# KiCad board pi40_v1.1.kicad_pcb (continued)
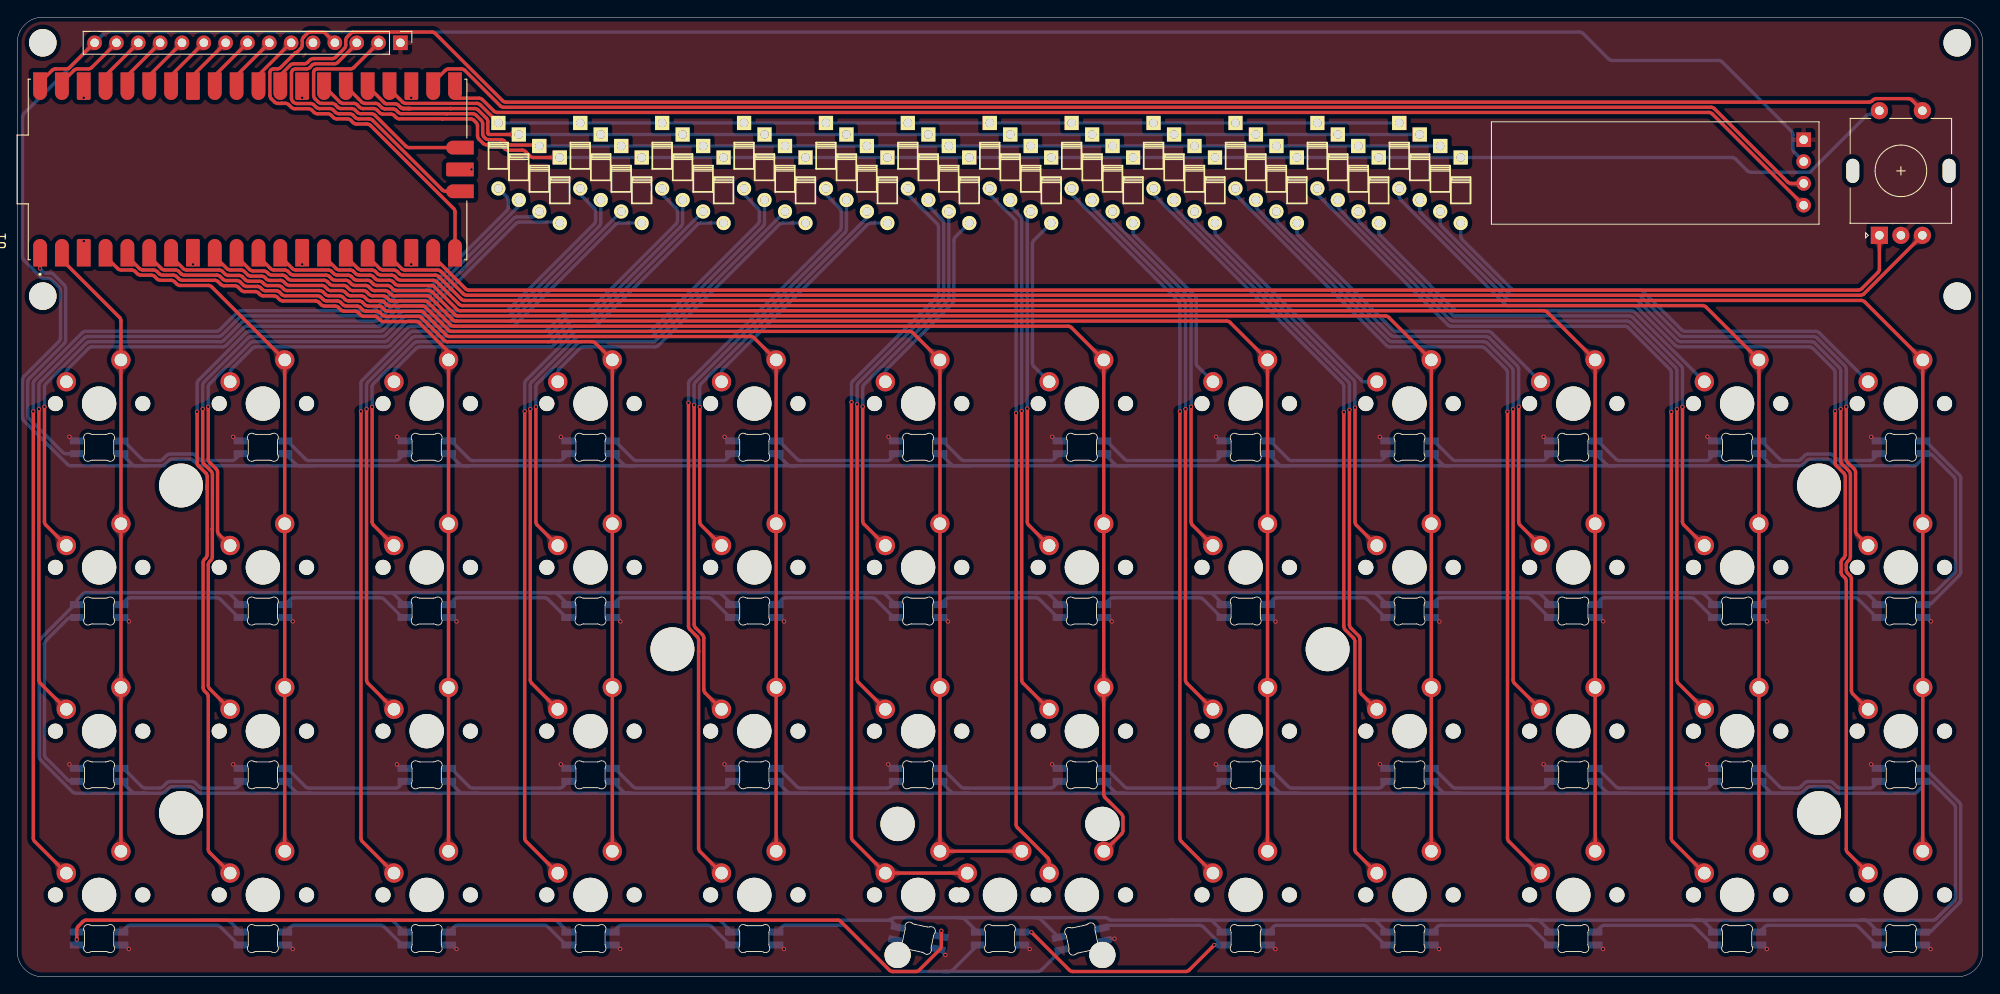
[diagram p0: board, top side]
## Routing (per net, layer and track width the routed paths; a pad name or vN(x,y) marks a point on that pad's centre or on a via; arc(x,y) is an arc through that point) (continued)
Net-(D26-Pad2): length 96.2
  Top w0.4: K26.1 22.38,33.5 arc(22.26,33.68) 22.22,33.88 22.22,47.93 arc(22.26,48.14) 22.38,48.31 22.53,48.47 arc(22.65,48.64) 22.69,48.85 22.69,52.08 arc(22.69,52.09) 22.7,52.09 arc(22.7,52.1) 22.7,52.1 22.7,58.44 arc(22.66,58.65) 22.54,58.83 21.73,59.64 arc(21.61,59.82) 21.57,60.03 v1(21.57,66.05)
  Bottom w0.4: D26.2 67.87,87.71 arc(67.82,87.5) 67.71,87.32 57.42,77.04 arc(57.24,76.92) 57.03,76.88 45.31,76.88 arc(45.1,76.83) 44.92,76.72 42.84,74.64 arc(42.67,74.52) 42.46,74.48 27.25,74.48 arc(27.04,74.44) 26.87,74.32 21.73,69.18 arc(21.61,69.01) 21.57,68.8 v1(21.57,66.05)
Net-(D27-Pad2): length 86.4
  Top w0.4: K27.1 40.79,34.14 arc(40.67,34.32) 40.63,34.53 v1(40.63,66.03)
  Bottom w0.4: D27.2 77.39,87.71 arc(77.35,87.5) 77.23,87.32 66.94,77.04 arc(66.76,76.92) 66.56,76.88 64.36,76.88 arc(64.15,76.83) 63.97,76.72 61.89,74.64 arc(61.72,74.52) 61.51,74.48 46.3,74.48 arc(46.09,74.44) 45.91,74.32 40.79,69.19 arc(40.67,69.01) 40.63,68.81 v1(40.63,66.03)
Net-(D28-Pad2): length 76.9
  Top w0.4: v1(59.67,66.04) 59.67,34.53 arc(59.71,34.33) 59.83,34.15 K28.1
  Bottom w0.4: v1(59.67,66.04) 59.67,68.8 arc(59.71,69.01) 59.83,69.18 64.96,74.32 arc(65.14,74.44) 65.35,74.48 73.68,74.48 arc(73.89,74.52) 74.07,74.64 86.76,87.32 arc(86.87,87.5) 86.91,87.71 D28.2
Net-(D29-Pad2): length 67.8
  Top w0.4: K29.1 80.01,33.02 arc(79.89,33.19) 79.85,33.4 79.85,39.41 arc(79.81,39.62) 79.69,39.79 78.88,40.61 arc(78.76,40.78) 78.72,40.99 v1(78.72,66.5)
  Bottom w0.4: v1(78.72,66.5) 78.72,68.8 arc(78.76,69.01) 78.88,69.18 96.28,86.58 arc(96.4,86.76) 96.44,86.97 D29.2
Net-(D30-Pad2): length 65.4
  Top w0.4: K30.1 97.84,34.24 arc(97.72,34.42) 97.68,34.62 v1(97.68,66.59)
  Bottom w0.4: v1(97.68,66.59) 97.68,68.71 arc(97.72,68.92) 97.84,69.09 107.59,78.84 arc(107.71,79.02) 107.75,79.23 107.75,87.66 arc(107.71,87.87) 107.59,88.04 106.12,89.51 arc(106.01,89.68) 105.96,89.89 D30.2
Net-(D31-Pad2): length 61
  Top w0.4: K31.1 116.98,34.15 arc(116.86,34.33) 116.82,34.53 v1(116.82,65.82)
  Bottom w0.4: D31.2 115.49,89.89 arc(115.53,89.68) 115.65,89.51 116.66,88.5 arc(116.78,88.32) 116.82,88.11 v1(116.82,65.82)
Net-(D32-Pad2): length 65
  Top w0.4: v1(135.87,66.03) 135.87,34.53 arc(135.91,34.33) 136.03,34.15 K32.1
  Bottom w0.4: D32.2 125.01,89.7 arc(125.06,89.49) 125.17,89.31 135.71,78.78 arc(135.83,78.6) 135.87,78.39 v1(135.87,66.03)
Net-(D33-Pad2): length 68.9
  Top w0.4: v1(154.94,65.95) 154.94,40.95 arc(154.98,40.75) 155.1,40.57 156.01,39.66 arc(156.13,39.48) 156.17,39.27 156.17,33.29 arc(156.21,33.08) 156.33,32.9 K33.1
  Bottom w0.4: D33.2 134.54,89.7 arc(134.58,89.49) 134.7,89.31 154.78,69.24 arc(154.89,69.06) 154.94,68.85 v1(154.94,65.95)
Net-(D34-Pad2): length 79.4
  Top w0.4: K34.1 174.13,34.15 arc(174.01,34.33) 173.97,34.53 v1(173.97,66.01)
  Bottom w0.4: v1(173.97,66.01) 173.97,70.49 arc(173.93,70.7) 173.81,70.87 170.96,73.72 arc(170.79,73.84) 170.58,73.88 159.88,73.88 arc(159.68,73.92) 159.5,74.04 144.22,89.31 arc(144.11,89.49) 144.06,89.7 D34.2
Net-(D35-Pad2): length 89.3
  Top w0.4: K35.1 193.18,34.15 arc(193.06,34.33) 193.02,34.53 v1(193.02,66.02)
  Bottom w0.4: 153.59,89.67 153.59,90.24 153.59,89.7 arc(153.63,89.49) 153.75,89.31 166.63,76.44 arc(166.8,76.32) 167.01,76.28 187.23,76.28 arc(187.44,76.24) 187.62,76.12 192.86,70.87 arc(192.98,70.7) 193.02,70.49 v1(193.02,66.02)
Net-(D36-Pad2): length 98.9
  Top w0.4: v1(212.07,66.05) 212.07,60.02 arc(212.11,59.81) 212.23,59.64 213.04,58.82 arc(213.16,58.65) 213.2,58.44 213.2,48.86 arc(213.16,48.65) 213.04,48.48 212.88,48.31 arc(212.76,48.14) 212.72,47.93 212.72,47.32 arc(212.76,47.11) 212.88,46.94 213.16,46.66 arc(213.28,46.48) 213.32,46.27 213.32,33.29 arc(213.36,33.08) 213.48,32.9 K36.1
  Bottom w0.4: v1(212.07,66.05) 212.07,70.49 arc(212.03,70.7) 211.91,70.87 209.06,73.72 arc(208.89,73.84) 208.68,73.88 193.47,73.88 arc(193.26,73.92) 193.09,74.04 188.61,78.52 arc(188.43,78.63) 188.22,78.67 173.66,78.67 arc(173.45,78.72) 173.28,78.83 163.27,88.84 arc(163.16,89.01) 163.11,89.22 D36.2
Net-(D37-Pad2): length 125
  Top w0.4: K37.1 2.03,15.75 arc(1.91,15.93) 1.87,16.13 v1(1.87,65.76)
  Bottom w0.4: v1(1.87,65.76) 1.87,69 arc(1.91,69.21) 2.03,69.38 7.57,74.92 arc(7.74,75.04) 7.95,75.08 23.16,75.08 arc(23.37,75.12) 23.54,75.24 25.62,77.32 arc(25.8,77.43) 26.01,77.48 41.21,77.48 arc(41.42,77.52) 41.6,77.64 43.68,79.71 arc(43.85,79.83) 44.06,79.87 47.48,79.87 arc(47.69,79.92) 47.87,80.03 56.96,89.12 arc(57.07,89.3) 57.12,89.51 57.12,90.31 arc(57.07,90.52) 56.96,90.7 D37.2
Net-(D38-Pad2): length 118.3
  Top w0.4: 22.09,56.78 22.1,57.18 arc(22.1,57.18) 22.1,57.18 22.1,56.79 ; 22.09,56.78 arc(22.1,56.78) 22.1,56.78 ; 22.09,56.78 arc(22.09,56.77) 22.09,56.77 ; 22.09,56.77 22.09,49.1 arc(22.05,48.89) 21.93,48.71 21.78,48.56 arc(21.66,48.38) 21.62,48.18 21.62,33.64 arc(21.66,33.43) 21.78,33.25 22.06,32.97 arc(22.18,32.79) 22.22,32.59 22.22,14.83 arc(22.26,14.63) 22.38,14.45 K38.1 ; 22.09,56.77 arc(22.09,56.77) 22.1,56.78 ; 22.1,56.79 22.1,58.2 arc(22.06,58.4) 21.94,58.58 21.08,59.44 arc(20.96,59.62) 20.92,59.83 v1(20.92,65.73) ; 22.1,56.79 arc(22.1,56.78) 22.1,56.78 ; 22.1,56.79 arc(22.1,56.78) 22.1,56.78
  Bottom w0.4: D38.2 65.48,91.23 arc(65.53,91.02) 65.64,90.85 67.11,89.38 arc(67.22,89.21) 67.27,89 67.27,87.96 arc(67.22,87.75) 67.11,87.57 57.17,77.64 arc(56.99,77.52) 56.78,77.48 45.06,77.48 arc(44.85,77.43) 44.67,77.32 42.59,75.24 arc(42.42,75.12) 42.21,75.08 27,75.08 arc(26.79,75.04) 26.62,74.92 21.08,69.38 arc(20.96,69.21) 20.92,69 v1(20.92,65.73)
Net-(D39-Pad2): length 107.7
  Top w0.4: K39.1 40.14,15.74 arc(40.02,15.92) 39.98,16.13 v1(39.98,65.77)
  Bottom w0.4: D39.2 75.01,91.23 arc(75.05,91.02) 75.17,90.85 76.63,89.38 arc(76.75,89.21) 76.79,89 76.79,87.96 arc(76.75,87.75) 76.63,87.57 66.69,77.64 arc(66.52,77.52) 66.31,77.48 64.11,77.48 arc(63.9,77.43) 63.72,77.32 61.64,75.24 arc(61.47,75.12) 61.26,75.08 46.05,75.08 arc(45.84,75.04) 45.67,74.92 40.14,69.39 arc(40.02,69.21) 39.98,69 v1(39.98,65.77)
Net-(D40-Pad2): length 98.2
  Top w0.4: K40.1 59.18,15.75 arc(59.06,15.93) 59.02,16.13 v1(59.02,65.78)
  Bottom w0.4: D40.2 84.53,91.23 arc(84.58,91.02) 84.69,90.85 86.16,89.38 arc(86.27,89.21) 86.32,89 86.32,87.96 arc(86.27,87.75) 86.16,87.57 73.82,75.24 arc(73.64,75.12) 73.44,75.08 65.1,75.08 arc(64.89,75.04) 64.72,74.92 59.18,69.38 arc(59.06,69.21) 59.02,69 v1(59.02,65.78)
Net-(D41-Pad2): length 89.2
  Top w0.4: v1(78.07,66.77) 78.07,40.79 arc(78.11,40.58) 78.23,40.41 79.09,39.55 arc(79.21,39.37) 79.25,39.16 79.25,37.86 arc(79.25,37.85) 79.25,37.85 arc(79.25,37.85) 79.25,37.84 79.25,14.96 arc(79.29,14.75) 79.4,14.57 K41.1
  Bottom w0.4: v1(78.07,66.77) 78.07,69 arc(78.11,69.21) 78.23,69.38 95.68,86.83 arc(95.8,87.01) 95.84,87.22 95.84,89 arc(95.8,89.21) 95.68,89.38 94.22,90.85 arc(94.1,91.02) 94.06,91.23 D41.2
Net-(D42-Pad2): length 96.3
  Top w0.4: v1(97.03,66.84) 97.03,16.23 arc(97.07,16.02) 97.19,15.84 K42.1 K49.1
  Bottom w0.4: D42.2 103.58,91.23 arc(103.63,91.02) 103.74,90.85 106.99,87.6 arc(107.11,87.43) 107.15,87.22 107.15,79.47 arc(107.11,79.27) 106.99,79.09 97.19,69.29 arc(97.07,69.11) 97.03,68.9 v1(97.03,66.84)
Net-(D43-Pad2): length 82.4
  Top w0.4: v1(116.17,65.55) 116.17,17.73 arc(116.21,17.52) 116.33,17.35 119.86,13.82 arc(119.97,13.64) 120.02,13.44 K43.1
  Bottom w0.4: D43.2 113.11,91.23 arc(113.15,91.02) 113.27,90.85 116.01,88.1 arc(116.13,87.93) 116.17,87.72 v1(116.17,65.55)
Net-(D44-Pad2): length 86.4
  Top w0.4: K44.1 135.38,15.75 arc(135.26,15.93) 135.22,16.13 v1(135.22,65.76)
  Bottom w0.4: v1(135.22,65.76) 135.22,78.19 arc(135.18,78.4) 135.06,78.58 122.79,90.85 arc(122.67,91.02) 122.63,91.23 D44.2
Net-(D45-Pad2): length 90.3
  Top w0.4: K45.1 155.73,14.45 arc(155.61,14.63) 155.57,14.83 155.57,39.02 arc(155.53,39.23) 155.41,39.41 154.45,40.37 arc(154.33,40.55) 154.29,40.76 v1(154.29,65.68)
  Bottom w0.4: v1(154.29,65.68) 154.29,68.65 arc(154.25,68.86) 154.13,69.04 132.32,90.85 arc(132.2,91.02) 132.16,91.23 D45.2
Net-(D46-Pad2): length 100.7
  Top w0.4: v1(173.32,65.74) 173.32,16.13 arc(173.36,15.93) 173.48,15.75 K46.1
  Bottom w0.4: v1(173.32,65.74) 173.32,70.29 arc(173.28,70.5) 173.16,70.67 170.71,73.12 arc(170.54,73.24) 170.33,73.28 159.64,73.28 arc(159.43,73.32) 159.25,73.44 141.84,90.85 arc(141.72,91.02) 141.68,91.23 D46.2
Net-(D47-Pad2): length 110.3
  Top w0.4: K47.1 192.53,15.75 arc(192.41,15.93) 192.37,16.13 v1(192.37,65.71)
  Bottom w0.4: D47.2 151.21,91.23 arc(151.25,91.02) 151.37,90.85 166.38,75.84 arc(166.55,75.72) 166.76,75.68 186.98,75.68 arc(187.19,75.64) 187.37,75.52 192.21,70.67 arc(192.33,70.5) 192.37,70.29 v1(192.37,65.71)
Net-(D48-Pad2): length 120.3
  Top w0.4: v1(211.42,65.79) 211.42,59.82 arc(211.46,59.61) 211.58,59.44 212.44,58.57 arc(212.56,58.4) 212.6,58.19 212.6,49.11 arc(212.56,48.9) 212.44,48.72 212.28,48.56 arc(212.16,48.38) 212.12,48.18 212.12,47.07 arc(212.16,46.87) 212.28,46.69 212.56,46.41 arc(212.68,46.23) 212.72,46.02 212.72,14.83 arc(212.76,14.63) 212.88,14.45 K48.1
  Bottom w0.4: D48.2 160.73,90.75 arc(160.77,90.55) 160.89,90.37 173.03,78.23 arc(173.2,78.12) 173.41,78.08 187.98,78.08 arc(188.18,78.03) 188.36,77.92 192.84,73.44 arc(193.01,73.32) 193.22,73.28 208.43,73.28 arc(208.64,73.24) 208.81,73.12 211.26,70.67 arc(211.38,70.5) 211.42,70.29 v1(211.42,65.79)
Net-(D49-Pad2): length 15.4
  Bottom w0.4: 12.37,62.34 14.51,60.21 arc(14.68,60.09) 14.89,60.05 16.56,60.05 arc(16.77,60.09) 16.94,60.21 17.39,60.65 arc(17.56,60.77) 17.77,60.81 20.33,60.81 arc(20.54,60.77) 20.71,60.65 21.16,60.21 arc(21.34,60.09) 21.54,60.05 24.95,60.05 arc(25.16,60.09) 25.34,60.21 D50.4
Net-(D50-Pad2): length 14.9
  Bottom w0.4: 31.4,62.34 33.54,60.21 arc(33.71,60.09) 33.92,60.05 44,60.05 arc(44.21,60.09) 44.39,60.21 D51.4
Net-(D51-Pad2): length 14.9
  Bottom w0.4: 50.45,62.34 52.59,60.21 arc(52.76,60.09) 52.97,60.05 63.05,60.05 arc(63.26,60.09) 63.44,60.21 D52.4
Net-(D52-Pad2): length 14.9
  Bottom w0.4: 69.5,62.34 71.64,60.21 arc(71.81,60.09) 72.02,60.05 82.1,60.05 arc(82.31,60.09) 82.49,60.21 D53.4
Net-(D53-Pad2): length 14.8
  Bottom w0.4: D54.4 101.54,60.21 arc(101.36,60.09) 101.15,60.05 91.1,60.05 arc(90.89,60.09) 90.72,60.21 88.58,62.34
Net-(D54-Pad2): length 14.8
  Bottom w0.4: 107.61,62.34 109.75,60.21 arc(109.92,60.09) 110.13,60.05 120.2,60.05 arc(120.41,60.09) 120.59,60.21 D55.4
Net-(D55-Pad2): length 14.8
  Bottom w0.4: D56.4 139.64,60.21 arc(139.46,60.09) 139.25,60.05 129.18,60.05 arc(128.97,60.09) 128.8,60.21 126.66,62.34
Net-(D56-Pad2): length 14.8
  Bottom w0.4: 145.71,62.34 147.85,60.21 arc(148.02,60.09) 148.23,60.05 158.45,60.05 arc(158.66,60.09) 158.84,60.21 159.32,60.7
Net-(D57-Pad2): length 14.9
  Bottom w0.4: 164.75,62.34 166.89,60.21 arc(167.06,60.09) 167.27,60.05 177.35,60.05 arc(177.56,60.09) 177.74,60.21 D58.4
Net-(D58-Pad2): length 14.9
  Bottom w0.4: 183.8,62.34 185.94,60.21 arc(186.11,60.09) 186.32,60.05 196.4,60.05 arc(196.61,60.09) 196.79,60.21 D59.4
Net-(D59-Pad2): length 15.4
  Bottom w0.4: 202.85,62.34 204.99,60.21 arc(205.16,60.09) 205.37,60.05 207.07,60.05 arc(207.28,60.09) 207.46,60.21 207.9,60.65 arc(208.08,60.77) 208.28,60.81 210.81,60.81 arc(211.02,60.77) 211.2,60.65 211.64,60.21 arc(211.82,60.09) 212.02,60.05 215.46,60.05 arc(215.67,60.09) 215.85,60.21 216.47,60.84
Net-(D60-Pad2): length 23
  Bottom w0.4: D72.4 222.25,43.29 arc(222.46,43.34) 222.63,43.45 225.87,46.69 arc(225.99,46.87) 226.03,47.07 226.03,57.99 arc(225.99,58.2) 225.87,58.38 221.9,62.34
Net-(D61-Pad2): length 23.1
  Bottom w0.4: D61.2 6.26,41.79 arc(6.05,41.75) 5.87,41.64 3.33,39.09 arc(3.21,38.92) 3.17,38.71 3.17,25.85 arc(3.21,25.64) 3.33,25.46 5.89,22.9 arc(6.06,22.79) 6.27,22.74 D73.4
Net-(D61-Pad4): length 14.9
  Bottom w0.4: 25.75,41.79 23.61,43.93 arc(23.44,44.05) 23.23,44.09 13.14,44.09 arc(12.94,44.05) 12.76,43.93 D61.4
Net-(D62-Pad4): length 14.9
  Bottom w0.4: 44.8,41.79 42.66,43.93 arc(42.49,44.05) 42.28,44.09 32.19,44.09 arc(31.99,44.05) 31.81,43.93 D62.4
Net-(D63-Pad4): length 14.9
  Bottom w0.4: D63.4 50.86,43.93 arc(51.04,44.05) 51.24,44.09 61.33,44.09 arc(61.54,44.05) 61.71,43.93 63.85,41.79
Net-(D64-Pad4): length 14.9
  Bottom w0.4: 82.9,41.79 80.76,43.93 arc(80.59,44.05) 80.38,44.09 70.29,44.09 arc(70.09,44.05) 69.91,43.93 D64.4
Net-(D65-Pad4): length 14.9
  Bottom w0.4: D65.4 88.96,43.93 arc(89.14,44.05) 89.34,44.09 99.43,44.09 arc(99.64,44.05) 99.81,43.93 101.95,41.79
Net-(D66-Pad4): length 14.9
  Bottom w0.4: 121,41.79 118.86,43.93 arc(118.69,44.05) 118.48,44.09 108.39,44.09 arc(108.19,44.05) 108.01,43.93 D66.4
Net-(D67-Pad4): length 14.9
  Bottom w0.4: D67.4 127.06,43.93 arc(127.24,44.05) 127.44,44.09 137.53,44.09 arc(137.74,44.05) 137.91,43.93 140.05,41.79
Net-(D68-Pad4): length 14.9
  Bottom w0.4: 159.1,41.79 156.96,43.93 arc(156.79,44.05) 156.58,44.09 146.49,44.09 arc(146.28,44.05) 146.11,43.93 D68.4
Net-(D69-Pad4): length 14.9
  Bottom w0.4: 178.15,41.79 176.01,43.93 arc(175.84,44.05) 175.63,44.09 165.54,44.09 arc(165.33,44.05) 165.16,43.93 D69.4
Net-(D70-Pad4): length 14.9
  Bottom w0.4: 197.2,41.79 195.06,43.93 arc(194.89,44.05) 194.68,44.09 184.59,44.09 arc(184.38,44.05) 184.21,43.93 D70.4
Net-(D71-Pad4): length 14.9
  Bottom w0.4: 216.25,41.79 214.11,43.93 arc(213.94,44.05) 213.73,44.09 203.64,44.09 arc(203.43,44.05) 203.26,43.93 D71.4
Net-(D73-Pad2): length 15.5
  Bottom w0.4: D74.4 25.97,22.6 arc(25.95,22.46) 25.87,22.34 25.64,22.11 arc(25.46,21.99) 25.25,21.95 21.54,21.95 arc(21.33,21.99) 21.16,22.11 20.72,22.55 arc(20.54,22.67) 20.33,22.71 17.77,22.71 arc(17.56,22.67) 17.38,22.55 16.95,22.11 arc(16.77,22) 16.56,21.95 14.88,21.95 arc(14.67,22) 14.49,22.11 12.36,24.24
Net-(D74-Pad2): length 14.9
  Bottom w0.4: D75.4 44.39,22.11 arc(44.21,21.99) 44.01,21.95 33.92,21.95 arc(33.71,21.99) 33.54,22.11 31.4,24.24
Net-(D75-Pad2): length 14.9
  Bottom w0.4: D76.4 63.44,22.11 arc(63.26,21.99) 63.06,21.95 52.97,21.95 arc(52.76,21.99) 52.59,22.11 50.45,24.24
Net-(D76-Pad2): length 14.9
  Bottom w0.4: D77.4 82.49,22.11 arc(82.31,21.99) 82.11,21.95 72.02,21.95 arc(71.81,21.99) 71.64,22.11 69.5,24.24
Net-(D77-Pad2): length 14.9
  Bottom w0.4: 88.55,24.24 90.69,22.11 arc(90.86,21.99) 91.07,21.95 101.16,21.95 arc(101.36,21.99) 101.54,22.11 D78.4
Net-(D78-Pad2): length 14.8
  Bottom w0.4: 107.6,24.24 109.74,22.11 arc(109.91,21.99) 110.12,21.95 120.15,21.95 arc(120.36,21.99) 120.54,22.11 121.17,22.74
Net-(D79-Pad2): length 14.9
  Bottom w0.4: 126.65,24.24 128.79,22.11 arc(128.96,21.99) 129.17,21.95 139.25,21.95 arc(139.46,21.99) 139.64,22.11 D80.4
Net-(D80-Pad2): length 14.9
  Bottom w0.4: D81.4 158.69,22.11 arc(158.51,21.99) 158.3,21.95 148.22,21.95 arc(148.01,21.99) 147.84,22.11 145.7,24.24
Net-(D81-Pad2): length 14.9
  Bottom w0.4: D82.4 177.74,22.11 arc(177.56,21.99) 177.35,21.95 167.27,21.95 arc(167.06,21.99) 166.89,22.11 164.75,24.24
Net-(D82-Pad2): length 14.9
  Bottom w0.4: D83.4 196.79,22.11 arc(196.61,21.99) 196.4,21.95 186.32,21.95 arc(186.11,21.99) 185.94,22.11 183.8,24.24
Net-(D83-Pad2): length 15.4
  Bottom w0.4: D84.4 215.84,22.11 arc(215.66,21.99) 215.45,21.95 212.03,21.95 arc(211.82,21.99) 211.64,22.11 211.2,22.55 arc(211.02,22.67) 210.81,22.71 208.27,22.71 arc(208.06,22.67) 207.88,22.55 207.44,22.11 arc(207.26,21.99) 207.06,21.95 205.37,21.95 arc(205.16,21.99) 204.98,22.11 202.85,24.24
Net-(D84-Pad2): length 23
  Bottom w0.4: 221.9,24.24 225.87,20.28 arc(225.99,20.1) 226.03,19.89 226.03,8.97 arc(225.99,8.77) 225.87,8.59 222.63,5.35 arc(222.46,5.24) 222.25,5.19 D96.4
Net-(D85-Pad4): length 109.1
  Top w0.4: v1(107.48,5.36) 107.48,3.57 arc(107.44,3.37) 107.32,3.19 104.9,0.78 arc(104.73,0.66) 104.52,0.62 101.82,0.62 arc(101.61,0.66) 101.44,0.78 95.78,6.43 arc(95.61,6.55) 95.4,6.59 8.04,6.59 arc(7.83,6.55) 7.66,6.43 7.09,5.86 arc(6.97,5.68) 6.93,5.47 v1(6.93,4.34)
  Bottom w0.4: v1(6.93,4.34) 6.93,3.7 ; D85.4 107.48,5.36 arc(107.48,5.36) 107.48,5.36 v1(107.48,5.36)
Net-(D86-Pad4): length 14.9
  Bottom w0.4: 25.75,3.69 23.62,5.82 arc(23.44,5.94) 23.23,5.98 13.14,5.98 arc(12.93,5.94) 12.75,5.82 D86.4
Net-(D87-Pad4): length 14.9
  Bottom w0.4: 44.8,3.69 42.67,5.82 arc(42.49,5.94) 42.28,5.98 32.19,5.98 arc(31.98,5.94) 31.8,5.82 D87.4
Net-(D88-Pad4): length 14.9
  Bottom w0.4: D88.4 50.85,5.82 arc(51.03,5.94) 51.24,5.98 61.33,5.98 arc(61.54,5.94) 61.72,5.82 63.85,3.69
Net-(D89-Pad4): length 14.9
  Bottom w0.4: D89.4 69.9,5.82 arc(70.08,5.94) 70.29,5.98 80.38,5.98 arc(80.59,5.94) 80.77,5.82 82.9,3.69
Net-(D90-Pad4): length 42
  Bottom w0.4: 108.13,0.62 107.67,0.62 ; 108.13,0.62 108.4,0.62 arc(108.6,0.66) 108.78,0.78 D91.2 ; 108.13,0.62 arc(108.08,0.62) 108.02,0.62 ; 107.67,0.62 108.02,0.62 ; 107.67,0.62 101.82,0.62 arc(101.61,0.66) 101.44,0.78 96.39,5.82 arc(96.21,5.94) 96,5.98 89.34,5.98 arc(89.13,5.94) 88.95,5.82 D90.4 ; 108.02,0.62 118.71,0.62 arc(118.92,0.66) 119.09,0.78 D97.2
Net-(D91-Pad4): length 41
  Top w0.4: v1(139.22,3.7) 136.29,0.78 arc(136.12,0.66) 135.91,0.62 122.75,0.62 arc(122.55,0.66) 122.37,0.78 v1(117.96,5.19)
  Bottom w0.4: v1(139.22,3.7) 140.27,3.7 ; 126.62,5.67 126.78,5.83 arc(126.95,5.95) 127.16,5.99 137.53,5.99 arc(137.74,5.95) 137.91,5.83 140.05,3.69 ; v1(117.96,5.19) 117.95,5.19 arc(117.95,5.19) 117.95,5.19 D91.4
Net-(D92-Pad4): length 14.9
  Bottom w0.4: D92.4 146.11,5.83 arc(146.29,5.95) 146.49,5.99 156.58,5.99 arc(156.78,5.95) 156.96,5.83 159.1,3.69
Net-(D93-Pad4): length 14.9
  Bottom w0.4: D93.4 165.16,5.83 arc(165.34,5.95) 165.54,5.99 175.63,5.99 arc(175.83,5.95) 176.01,5.83 178.15,3.69
Net-(D94-Pad4): length 14.9
  Bottom w0.4: 197.2,3.69 195.06,5.83 arc(194.88,5.95) 194.68,5.99 184.59,5.99 arc(184.39,5.95) 184.21,5.83 D94.4
Net-(D95-Pad4): length 14.9
  Bottom w0.4: 216.25,3.69 214.11,5.83 arc(213.93,5.95) 213.73,5.99 203.64,5.99 arc(203.44,5.95) 203.26,5.83 D95.4

## Copper pours and planes (outline as drawn; the poured copper is in the pictures)
3V3 on Top: 12.62,104.59 12.62,104.48 12.61,104.38 12.59,104.3 12.57,104.23 12.55,104.17 12.52,104.1 12.49,104.04 12.41,103.9 12.37,103.82 12.82,103.35 13.27,103.82 13.23,103.9 13.15,104.04 13.12,104.1 13.09,104.17 13.06,104.23 13.05,104.3 13.03,104.38 13.02,104.48 13.02,104.59
3V3 on Top: 15.57,107.31 15.71,107.44 15.85,107.54 15.97,107.61 16.09,107.66 16.21,107.69 16.33,107.71 16.45,107.73 16.59,107.76 16.74,107.79 16.9,107.84 16.92,108.94 15.82,108.92 15.77,108.76 15.74,108.61 15.71,108.47 15.69,108.35 15.67,108.23 15.64,108.11 15.59,107.99 15.52,107.87 15.42,107.73 15.29,107.59
GND on Top, Bottom: 228.6,0 0,0 0,111.62 228.6,111.62
VBUS on Top: 2.94,104.6 2.31,103.95 2.62,103.35 3.13,103.75 3.11,103.82 3.1,103.88 3.08,103.94 3.08,103.99 3.08,104.04 3.09,104.1 3.1,104.15 3.13,104.2 3.17,104.26 3.22,104.31
VBUS on Top: 7.92,107.31 8.06,107.45 8.19,107.55 8.32,107.62 8.44,107.66 8.55,107.69 8.67,107.72 8.8,107.73 8.94,107.76 9.09,107.79 9.26,107.83 9.31,108.93 8.21,108.95 8.15,108.78 8.11,108.63 8.08,108.49 8.06,108.37 8.03,108.24 8,108.13 7.94,108.01 7.87,107.88 7.77,107.75 7.63,107.6
VBUS on Bottom: 206.43,95.88 206.56,95.74 206.66,95.6 206.73,95.48 206.77,95.36 206.81,95.24 206.83,95.13 206.85,95 206.87,94.86 206.91,94.71 206.96,94.55 208.06,94.53 208.04,95.63 207.87,95.68 207.73,95.72 207.59,95.74 207.46,95.76 207.34,95.78 207.23,95.82 207.11,95.86 206.99,95.93 206.85,96.03 206.71,96.16
VBUS on Bottom: 7.95,107.31 8.09,107.44 8.23,107.54 8.35,107.61 8.47,107.66 8.59,107.69 8.71,107.71 8.83,107.73 8.97,107.76 9.12,107.79 9.28,107.84 9.3,108.94 8.2,108.92 8.15,108.76 8.12,108.61 8.09,108.47 8.07,108.35 8.05,108.23 8.02,108.11 7.97,107.99 7.9,107.87 7.8,107.73 7.67,107.59
VBUS on Bottom: 10.06,109.98 9.91,109.85 9.78,109.75 9.66,109.68 9.54,109.63 9.42,109.6 9.3,109.58 9.18,109.56 9.04,109.53 8.89,109.5 8.72,109.45 8.7,108.34 9.81,108.36 9.86,108.53 9.89,108.68 9.92,108.82 9.94,108.94 9.96,109.06 9.99,109.18 10.04,109.3 10.11,109.42 10.21,109.55 10.34,109.7
C0 on Top: 11.86,35.9 11.85,35.64 11.82,35.42 11.76,35.24 11.69,35.08 11.6,34.95 11.5,34.81 11.39,34.68 11.28,34.53 11.17,34.35 11.05,34.15 12.06,33.09 13.08,34.15 12.96,34.35 12.85,34.53 12.74,34.68 12.63,34.81 12.53,34.95 12.44,35.08 12.37,35.24 12.31,35.42 12.28,35.64 12.26,35.9
C0 on Top: 11.86,54.95 11.85,54.69 11.82,54.47 11.76,54.29 11.69,54.13 11.6,54 11.5,53.86 11.39,53.73 11.28,53.58 11.17,53.4 11.05,53.2 12.06,52.14 13.08,53.2 12.96,53.4 12.85,53.58 12.74,53.73 12.63,53.86 12.53,54 12.44,54.13 12.37,54.29 12.31,54.47 12.28,54.69 12.26,54.95
C0 on Top: 11.86,74 11.85,73.74 11.82,73.52 11.76,73.34 11.69,73.18 11.6,73.05 11.5,72.91 11.39,72.78 11.28,72.63 11.17,72.45 11.05,72.24 12.06,71.19 13.08,72.24 12.96,72.45 12.85,72.63 12.74,72.78 12.63,72.91 12.53,73.05 12.44,73.18 12.37,73.34 12.31,73.52 12.28,73.74 12.26,74
C0 on Top: 11.86,16.85 11.85,16.59 11.82,16.37 11.76,16.19 11.69,16.03 11.6,15.9 11.5,15.76 11.39,15.63 11.28,15.48 11.17,15.3 11.05,15.1 12.06,14.04 13.08,15.1 12.96,15.3 12.85,15.48 12.74,15.63 12.63,15.76 12.53,15.9 12.44,16.03 12.37,16.19 12.31,16.37 12.28,16.59 12.26,16.85
C0 on Top: 12.26,31.41 12.28,31.67 12.31,31.89 12.37,32.07 12.44,32.22 12.53,32.36 12.63,32.5 12.74,32.63 12.85,32.78 12.96,32.96 13.08,33.16 12.06,34.22 11.05,33.16 11.17,32.96 11.28,32.78 11.39,32.63 11.5,32.5 11.6,32.36 11.69,32.22 11.76,32.07 11.82,31.89 11.85,31.67 11.86,31.41
C0 on Top: 5.47,83.42 5.42,83.48 5.4,83.54 5.39,83.59 5.41,83.65 5.44,83.7 5.48,83.76 5.57,83.87 5.61,83.94 5.65,84 5.2,84.47 4.85,83.87 4.91,83.8 4.95,83.73 4.97,83.66 4.99,83.59 5.01,83.45 5.03,83.37 5.07,83.3 5.12,83.22 5.19,83.13
C0 on Top: 12.26,69.51 12.28,69.77 12.31,69.99 12.37,70.17 12.44,70.32 12.53,70.46 12.63,70.59 12.74,70.73 12.85,70.88 12.96,71.06 13.08,71.26 12.06,72.32 11.05,71.26 11.17,71.06 11.28,70.88 11.39,70.73 11.5,70.59 11.6,70.46 11.69,70.32 11.76,70.17 11.82,69.99 11.85,69.77 11.86,69.51
C0 on Top: 12.26,50.46 12.28,50.72 12.31,50.94 12.37,51.12 12.44,51.27 12.53,51.41 12.63,51.54 12.74,51.68 12.85,51.83 12.96,52.01 13.08,52.21 12.06,53.27 11.05,52.21 11.17,52.01 11.28,51.83 11.39,51.68 11.5,51.54 11.6,51.41 11.69,51.27 11.76,51.12 11.82,50.94 11.85,50.72 11.86,50.46
C1 on Top: 30.91,16.85 30.9,16.59 30.87,16.37 30.81,16.19 30.74,16.03 30.65,15.9 30.55,15.76 30.44,15.63 30.33,15.48 30.21,15.3 30.1,15.1 31.11,14.04 32.13,15.1 32.01,15.3 31.9,15.48 31.79,15.63 31.68,15.76 31.58,15.9 31.49,16.03 31.42,16.19 31.36,16.37 31.33,16.59 31.31,16.85
C1 on Top: 31.31,69.51 31.33,69.77 31.36,69.99 31.42,70.17 31.49,70.32 31.58,70.46 31.68,70.59 31.79,70.73 31.9,70.88 32.01,71.06 32.13,71.26 31.11,72.32 30.1,71.26 30.21,71.06 30.33,70.88 30.44,70.73 30.55,70.59 30.65,70.46 30.74,70.32 30.81,70.17 30.87,69.99 30.9,69.77 30.91,69.51
C1 on Top: 10.84,83.5 10.79,83.56 10.75,83.62 10.72,83.67 10.71,83.72 10.7,83.78 10.7,83.83 10.7,83.88 10.72,83.94 10.73,84 10.75,84.07 10.24,84.47 9.93,83.87 10.56,83.22
C1 on Top: 29.39,73.2 29.56,73.01 29.69,72.83 29.78,72.66 29.84,72.5 29.87,72.34 29.89,72.17 29.91,72 29.94,71.82 29.98,71.61 30.05,71.39 31.51,71.36 31.48,72.82 31.26,72.89 31.05,72.93 30.87,72.95 30.7,72.98 30.53,73 30.37,73.03 30.21,73.09 30.04,73.18 29.86,73.31 29.67,73.48
C2 on Top: 13.38,83.5 13.33,83.56 13.29,83.62 13.26,83.67 13.25,83.72 13.24,83.78 13.24,83.83 13.24,83.88 13.26,83.94 13.27,84 13.29,84.07 12.78,84.47 12.47,83.87 13.1,83.22
C2 on Top: 50.36,69.51 50.38,69.77 50.41,69.99 50.47,70.17 50.54,70.32 50.63,70.46 50.73,70.59 50.84,70.73 50.95,70.88 51.06,71.06 51.18,71.26 50.16,72.32 49.15,71.26 49.26,71.06 49.38,70.88 49.49,70.73 49.6,70.59 49.7,70.46 49.79,70.32 49.86,70.17 49.92,69.99 49.95,69.77 49.96,69.51
C2 on Top: 49.04,73.52 49.17,73.37 49.26,73.23 49.31,73.1 49.33,72.96 49.32,72.83 49.29,72.7 49.25,72.55 49.14,72.24 49.08,72.07 50.26,71.2 50.96,72.55 50.78,72.72 50.61,72.86 50.46,72.97 50.32,73.06 50.17,73.14 50.03,73.23 49.87,73.33 49.71,73.45 49.53,73.61 49.32,73.8
C2 on Top: 49.96,16.85 49.95,16.59 49.92,16.37 49.86,16.19 49.79,16.03 49.7,15.9 49.6,15.76 49.49,15.63 49.38,15.48 49.26,15.3 49.15,15.1 50.16,14.04 51.18,15.1 51.06,15.3 50.95,15.48 50.84,15.63 50.73,15.76 50.63,15.9 50.54,16.03 50.47,16.19 50.41,16.37 50.38,16.59 50.36,16.85
C3 on Top: 69.41,69.51 69.43,69.77 69.46,69.99 69.52,70.17 69.59,70.32 69.68,70.46 69.78,70.59 69.89,70.73 70,70.88 70.11,71.06 70.23,71.26 69.21,72.32 68.2,71.26 68.31,71.06 68.43,70.88 68.54,70.73 68.65,70.59 68.75,70.46 68.84,70.32 68.91,70.17 68.97,69.99 69,69.77 69.01,69.51
C3 on Top: 15.92,83.5 15.87,83.56 15.83,83.62 15.8,83.67 15.79,83.72 15.78,83.78 15.78,83.83 15.78,83.88 15.8,83.94 15.81,84 15.83,84.07 15.32,84.47 15.01,83.87 15.64,83.22
C3 on Top: 67.49,73.2 67.66,73.01 67.79,72.83 67.88,72.66 67.94,72.5 67.97,72.34 67.99,72.17 68.01,72 68.04,71.82 68.08,71.61 68.15,71.39 69.61,71.36 69.58,72.82 69.36,72.89 69.15,72.93 68.97,72.95 68.8,72.98 68.63,73 68.47,73.03 68.31,73.09 68.14,73.18 67.96,73.31 67.77,73.48